# EAGLE board Mk4 Final a Panel score 2x5 (EAGLE 9.0.1), part 4 of 29
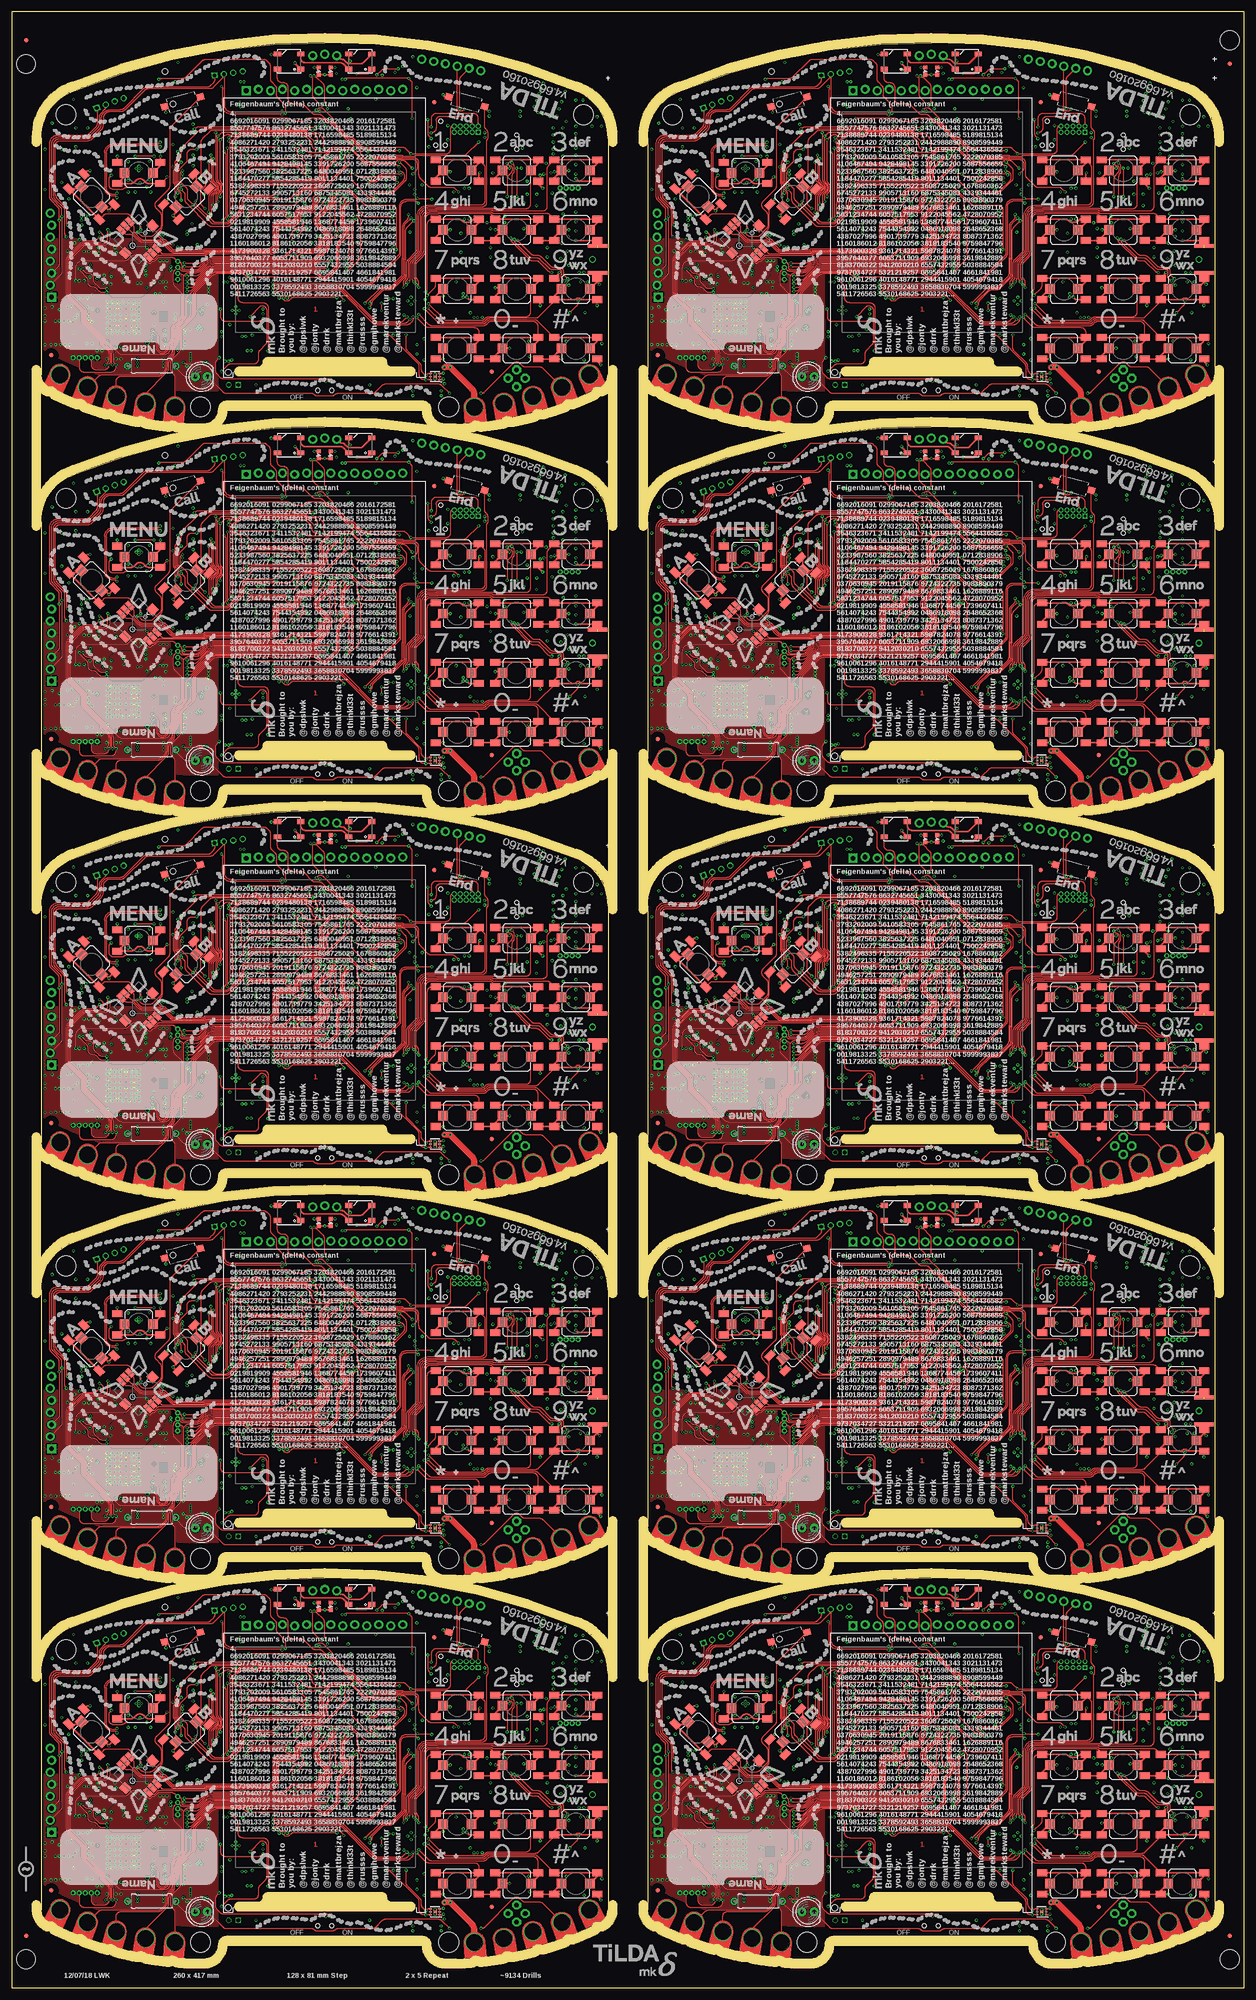
[diagram p0: board, top side]
## Placement (x,y rotation side) (continued)
R377  0402/100K/5%  [R0402-SMALLER]  19,184.75 270 bottom
R378  0402/10K/5%  [R0402-SMALLER]  14.5,208.25 90 bottom
R379  0402/100K/5%  [R0402-SMALLER]  17,205.25 180 bottom
R380  0402/100K/5%  [R0402-SMALLER]  31,187.75 180 bottom
R381  0402/100K/5%  [R0402-SMALLER]  31,185.75 180 bottom
R382  0402/100K/5%  [R0402-SMALLER]  32.75,194.5 90 bottom
R383  0402/100K/5%  [R0402-SMALLER]  24.5,184.25 270 bottom
R384  0402/100K/5%  [R0402-SMALLER]  20,183 270 bottom
R385  0402/100K/5%  [R0402-SMALLER]  15.25,197 90 bottom
R386  0402/10K/5%  [R0402-SMALLER]  80,195.75 90 bottom
R387  0402/150K/1%  [R0402-SMALLER]  27.95,228.4 0 bottom
R388  0402/150K/1%  [R0402-SMALLER]  28,225.5 0 bottom
R389  0402/10K/5%  [R0402-SMALLER]  24.75,224.5 0 bottom
R390  0402/0R/5%  [R0402-SMALLER]  27,229.5 180 bottom
R391  0402/12R/5%  [R0402-SMALLER]  206.5,207 270 bottom
R392  0402/12R/5%  [R0402-SMALLER]  205.5,207 270 bottom
R393  0402/12R/5%  [R0402-SMALLER]  204.5,207 270 bottom
R394  0402/12R/5%  [R0402-SMALLER]  203.5,207 270 bottom
R395  0402/2K/5%  [R0402-SMALLER]  195.27,242.5 270 bottom
R396  0402/2K/5%  [R0402-SMALLER]  192.73,242.5 270 bottom
R397  0402/1K/5%  [R0402-SMALLER]  178.5,235.5 270 bottom
R398  0402/1K/5%  [R0402-SMALLER]  179.5,235.5 270 bottom
R399  0402/4K87/5%  [R0402-SMALLER]  184.25,225.25 0 bottom
R400  0402/10K/5%  [R0402-SMALLER]  192.5,233.25 180 bottom
R401  0402/1M/5%  [R0402-SMALLER]  184.75,227.75 90 bottom
R402  0402/2K/5%  [R0402-SMALLER]  197.75,230.95 90 bottom
R403  0402/1M/5%  [R0402-SMALLER]  211.75,246 270 bottom
R404  0402/100R/5%  [R0402-SMALLER]  212.25,242.5 180 bottom
R405  0402/10K/5%  [R0402-SMALLER]  201.5,212.25 270 bottom
R406  0402/10K/5%  [R0402-SMALLER]  212,209.75 90 bottom
R407  [0309/10]  157.5,180.25 180 top
R408  0402/10K/5%  [R0402-SMALLER]  171.75,183.25 90 bottom
R409  0402/10K/5%  [R0402-SMALLER]  179.75,191.25 0 bottom
R410  0402/10K/5%  [R0402-SMALLER]  179.75,190.25 180 bottom
R411  0402/2K/5%  [R0402-SMALLER]  179.75,192.25 180 bottom
R412  0402/10K/5%  [R0402-SMALLER]  175.25,198.5 180 bottom
R413  0402/10K/5%  [R0402-SMALLER]  175.25,197.5 180 bottom
R414  0402/10K/5%  [R0402-SMALLER]  175.75,196 90 bottom
R415  0402/4K7/5%  [R0402-SMALLER]  180.05,216.25 90 bottom
R416  0402/4K7/5%  [R0402-SMALLER]  181.05,216.25 90 bottom
R417  0402/4K7/5%  [R0402-SMALLER]  206.25,217 180 bottom
R418  0402/4K7/5%  [R0402-SMALLER]  206.25,215.75 180 bottom
R419  0402/100K/5%  [R0402-SMALLER]  159,184.75 180 bottom
R420  0402/51R/5%  [R0402-SMALLER]  231.5,220.5 90 bottom
R421  0402/51R/5%  [R0402-SMALLER]  233.5,220.5 90 bottom
R422  0402/51R/5%  [R0402-SMALLER]  234.5,220.5 90 bottom
R423  0402/4K7/5%  [R0402-SMALLER]  240.5,198.75 180 bottom
R424  0402/100K/5%  [R0402-SMALLER]  222.5,197.5 90 bottom
R425  0402/1K/5%  [R0402-SMALLER]  224,209.25 180 bottom
R426  0402/5K6/5%  [R0402-SMALLER]  224,202.25 0 bottom
R427  0402/1K/5%  [R0402-SMALLER]  224,210.25 180 bottom
R428  0402/1K/5%  [R0402-SMALLER]  224,207.25 180 bottom
R429  0402/1K/5%  [R0402-SMALLER]  224,206.25 180 bottom
R430  0402/1K/5%  [R0402-SMALLER]  224,205.25 180 bottom
R431  0402/1K/5%  [R0402-SMALLER]  224,201.25 180 bottom
R432  0402/1K/5%  [R0402-SMALLER]  224,203.25 180 bottom
R433  0402/5K6/5%  [R0402-SMALLER]  224,204.25 0 bottom
R434  0402/5K6/5%  [R0402-SMALLER]  224,208.25 0 bottom
R435  0402/1K/5%  [R0402-SMALLER]  224,200.25 180 bottom
R436  0402/1K/5%  [R0402-SMALLER]  224,199.25 180 bottom
R437  0402/10K/5%  [R0402-SMALLER]  214.75,215 90 bottom
R438  0402/10K/5%  [R0402-SMALLER]  215.75,215 90 bottom
R439  0402/10K/5%  [R0402-SMALLER]  216.25,217.5 180 bottom
R440  0402/22K/5%  [R0402-SMALLER]  214.25,217.5 0 bottom
R441  0402/22K/5%  [R0402-SMALLER]  214.25,216.5 0 bottom
R442  0402/15K/5%  [R0402-SMALLER]  214.5,226.75 180 bottom
R443  0402/8K2/5%  [R0402-SMALLER]  212.5,226.75 0 bottom
R444  0402/10K/5%  [R0402-SMALLER]  219.5,222.5 270 bottom
R445  0402/10K/5%  [R0402-SMALLER]  221.75,217.75 180 bottom
R446  0402/10K/5%  [R0402-SMALLER]  228.25,227.5 180 bottom
R447  0402/150K/1%  [R0402-SMALLER]  155.95,227.45 0 bottom
R448  0402/150K/1%  [R0402-SMALLER]  155.95,226.45 0 bottom
R449  0402/10K/5%  [R0402-SMALLER]  238,181.75 90 bottom
R450  0402/732K/5%  [R0402-SMALLER]  162.95,182.35 270 bottom
R451  0402/162K/5%  [R0402-SMALLER]  163.95,182.35 90 bottom
R452  0402/10K/5%  [R0402-SMALLER]  146,184.75 270 bottom
R453  0402/100K/5%  [R0402-SMALLER]  143.25,203.2 90 bottom
R454  0402/100K/5%  [R0402-SMALLER]  144.25,203.2 90 bottom
R455  0402/100K/5%  [R0402-SMALLER]  147,184.75 270 bottom
R456  0402/10K/5%  [R0402-SMALLER]  142.5,208.25 90 bottom
R457  0402/100K/5%  [R0402-SMALLER]  145,205.25 180 bottom
R458  0402/100K/5%  [R0402-SMALLER]  159,187.75 180 bottom
R459  0402/100K/5%  [R0402-SMALLER]  159,185.75 180 bottom
R460  0402/100K/5%  [R0402-SMALLER]  160.75,194.5 90 bottom
R461  0402/100K/5%  [R0402-SMALLER]  152.5,184.25 270 bottom
R462  0402/100K/5%  [R0402-SMALLER]  148,183 270 bottom
R463  0402/100K/5%  [R0402-SMALLER]  143.25,197 90 bottom
R464  0402/10K/5%  [R0402-SMALLER]  208,195.75 90 bottom
R465  0402/150K/1%  [R0402-SMALLER]  155.95,228.4 0 bottom
R466  0402/150K/1%  [R0402-SMALLER]  156,225.5 0 bottom
R467  0402/10K/5%  [R0402-SMALLER]  152.75,224.5 0 bottom
R468  0402/0R/5%  [R0402-SMALLER]  155,229.5 180 bottom
R469  0402/12R/5%  [R0402-SMALLER]  78.5,288 270 bottom
R470  0402/12R/5%  [R0402-SMALLER]  77.5,288 270 bottom
R471  0402/12R/5%  [R0402-SMALLER]  76.5,288 270 bottom
R472  0402/12R/5%  [R0402-SMALLER]  75.5,288 270 bottom
R473  0402/2K/5%  [R0402-SMALLER]  67.27,323.5 270 bottom
R474  0402/2K/5%  [R0402-SMALLER]  64.73,323.5 270 bottom
R475  0402/1K/5%  [R0402-SMALLER]  50.5,316.5 270 bottom
R476  0402/1K/5%  [R0402-SMALLER]  51.5,316.5 270 bottom
R477  0402/4K87/5%  [R0402-SMALLER]  56.25,306.25 0 bottom
R478  0402/10K/5%  [R0402-SMALLER]  64.5,314.25 180 bottom
R479  0402/1M/5%  [R0402-SMALLER]  56.75,308.75 90 bottom
R480  0402/2K/5%  [R0402-SMALLER]  69.75,311.95 90 bottom
R481  0402/1M/5%  [R0402-SMALLER]  83.75,327 270 bottom
R482  0402/100R/5%  [R0402-SMALLER]  84.25,323.5 180 bottom
R483  0402/10K/5%  [R0402-SMALLER]  73.5,293.25 270 bottom
R484  0402/10K/5%  [R0402-SMALLER]  84,290.75 90 bottom
R485  [0309/10]  29.5,261.25 180 top
R486  0402/10K/5%  [R0402-SMALLER]  43.75,264.25 90 bottom
R487  0402/10K/5%  [R0402-SMALLER]  51.75,272.25 0 bottom
R488  0402/10K/5%  [R0402-SMALLER]  51.75,271.25 180 bottom
R489  0402/2K/5%  [R0402-SMALLER]  51.75,273.25 180 bottom
R490  0402/10K/5%  [R0402-SMALLER]  47.25,279.5 180 bottom
R491  0402/10K/5%  [R0402-SMALLER]  47.25,278.5 180 bottom
R492  0402/10K/5%  [R0402-SMALLER]  47.75,277 90 bottom
R493  0402/4K7/5%  [R0402-SMALLER]  52.05,297.25 90 bottom
R494  0402/4K7/5%  [R0402-SMALLER]  53.05,297.25 90 bottom
R495  0402/4K7/5%  [R0402-SMALLER]  78.25,298 180 bottom
R496  0402/4K7/5%  [R0402-SMALLER]  78.25,296.75 180 bottom
R497  0402/100K/5%  [R0402-SMALLER]  31,265.75 180 bottom
R498  0402/51R/5%  [R0402-SMALLER]  103.5,301.5 90 bottom
R499  0402/51R/5%  [R0402-SMALLER]  105.5,301.5 90 bottom
R500  0402/51R/5%  [R0402-SMALLER]  106.5,301.5 90 bottom
R501  0402/4K7/5%  [R0402-SMALLER]  112.5,279.75 180 bottom
R502  0402/100K/5%  [R0402-SMALLER]  94.5,278.5 90 bottom
R503  0402/1K/5%  [R0402-SMALLER]  96,290.25 180 bottom
R504  0402/5K6/5%  [R0402-SMALLER]  96,283.25 0 bottom
R505  0402/1K/5%  [R0402-SMALLER]  96,291.25 180 bottom
R506  0402/1K/5%  [R0402-SMALLER]  96,288.25 180 bottom
R507  0402/1K/5%  [R0402-SMALLER]  96,287.25 180 bottom
R508  0402/1K/5%  [R0402-SMALLER]  96,286.25 180 bottom
R509  0402/1K/5%  [R0402-SMALLER]  96,282.25 180 bottom
R510  0402/1K/5%  [R0402-SMALLER]  96,284.25 180 bottom
R511  0402/5K6/5%  [R0402-SMALLER]  96,285.25 0 bottom
R512  0402/5K6/5%  [R0402-SMALLER]  96,289.25 0 bottom
R513  0402/1K/5%  [R0402-SMALLER]  96,281.25 180 bottom
R514  0402/1K/5%  [R0402-SMALLER]  96,280.25 180 bottom
R515  0402/10K/5%  [R0402-SMALLER]  86.75,296 90 bottom
R516  0402/10K/5%  [R0402-SMALLER]  87.75,296 90 bottom
R517  0402/10K/5%  [R0402-SMALLER]  88.25,298.5 180 bottom
R518  0402/22K/5%  [R0402-SMALLER]  86.25,298.5 0 bottom
R519  0402/22K/5%  [R0402-SMALLER]  86.25,297.5 0 bottom
R520  0402/15K/5%  [R0402-SMALLER]  86.5,307.75 180 bottom
R521  0402/8K2/5%  [R0402-SMALLER]  84.5,307.75 0 bottom
R522  0402/10K/5%  [R0402-SMALLER]  91.5,303.5 270 bottom
R523  0402/10K/5%  [R0402-SMALLER]  93.75,298.75 180 bottom
R524  0402/10K/5%  [R0402-SMALLER]  100.25,308.5 180 bottom
R525  0402/150K/1%  [R0402-SMALLER]  27.95,308.45 0 bottom
R526  0402/150K/1%  [R0402-SMALLER]  27.95,307.45 0 bottom
R527  0402/10K/5%  [R0402-SMALLER]  110,262.75 90 bottom
R528  0402/732K/5%  [R0402-SMALLER]  34.95,263.35 270 bottom
R529  0402/162K/5%  [R0402-SMALLER]  35.95,263.35 90 bottom
R530  0402/10K/5%  [R0402-SMALLER]  18,265.75 270 bottom
R531  0402/100K/5%  [R0402-SMALLER]  15.25,284.2 90 bottom
R532  0402/100K/5%  [R0402-SMALLER]  16.25,284.2 90 bottom
R533  0402/100K/5%  [R0402-SMALLER]  19,265.75 270 bottom
R534  0402/10K/5%  [R0402-SMALLER]  14.5,289.25 90 bottom
R535  0402/100K/5%  [R0402-SMALLER]  17,286.25 180 bottom
R536  0402/100K/5%  [R0402-SMALLER]  31,268.75 180 bottom
R537  0402/100K/5%  [R0402-SMALLER]  31,266.75 180 bottom
R538  0402/100K/5%  [R0402-SMALLER]  32.75,275.5 90 bottom
R539  0402/100K/5%  [R0402-SMALLER]  24.5,265.25 270 bottom
R540  0402/100K/5%  [R0402-SMALLER]  20,264 270 bottom
R541  0402/100K/5%  [R0402-SMALLER]  15.25,278 90 bottom
R542  0402/10K/5%  [R0402-SMALLER]  80,276.75 90 bottom
R543  0402/150K/1%  [R0402-SMALLER]  27.95,309.4 0 bottom
R544  0402/150K/1%  [R0402-SMALLER]  28,306.5 0 bottom
R545  0402/10K/5%  [R0402-SMALLER]  24.75,305.5 0 bottom
R546  0402/0R/5%  [R0402-SMALLER]  27,310.5 180 bottom
R547  0402/12R/5%  [R0402-SMALLER]  206.5,288 270 bottom
R548  0402/12R/5%  [R0402-SMALLER]  205.5,288 270 bottom
R549  0402/12R/5%  [R0402-SMALLER]  204.5,288 270 bottom
R550  0402/12R/5%  [R0402-SMALLER]  203.5,288 270 bottom
R551  0402/2K/5%  [R0402-SMALLER]  195.27,323.5 270 bottom
R552  0402/2K/5%  [R0402-SMALLER]  192.73,323.5 270 bottom
R553  0402/1K/5%  [R0402-SMALLER]  178.5,316.5 270 bottom
R554  0402/1K/5%  [R0402-SMALLER]  179.5,316.5 270 bottom
R555  0402/4K87/5%  [R0402-SMALLER]  184.25,306.25 0 bottom
R556  0402/10K/5%  [R0402-SMALLER]  192.5,314.25 180 bottom
R557  0402/1M/5%  [R0402-SMALLER]  184.75,308.75 90 bottom
R558  0402/2K/5%  [R0402-SMALLER]  197.75,311.95 90 bottom
R559  0402/1M/5%  [R0402-SMALLER]  211.75,327 270 bottom
R560  0402/100R/5%  [R0402-SMALLER]  212.25,323.5 180 bottom
R561  0402/10K/5%  [R0402-SMALLER]  201.5,293.25 270 bottom
R562  0402/10K/5%  [R0402-SMALLER]  212,290.75 90 bottom
R563  [0309/10]  157.5,261.25 180 top
R564  0402/10K/5%  [R0402-SMALLER]  171.75,264.25 90 bottom
R565  0402/10K/5%  [R0402-SMALLER]  179.75,272.25 0 bottom
R566  0402/10K/5%  [R0402-SMALLER]  179.75,271.25 180 bottom
R567  0402/2K/5%  [R0402-SMALLER]  179.75,273.25 180 bottom
R568  0402/10K/5%  [R0402-SMALLER]  175.25,279.5 180 bottom
R569  0402/10K/5%  [R0402-SMALLER]  175.25,278.5 180 bottom
R570  0402/10K/5%  [R0402-SMALLER]  175.75,277 90 bottom
R571  0402/4K7/5%  [R0402-SMALLER]  180.05,297.25 90 bottom
R572  0402/4K7/5%  [R0402-SMALLER]  181.05,297.25 90 bottom
R573  0402/4K7/5%  [R0402-SMALLER]  206.25,298 180 bottom
R574  0402/4K7/5%  [R0402-SMALLER]  206.25,296.75 180 bottom
R575  0402/100K/5%  [R0402-SMALLER]  159,265.75 180 bottom
R576  0402/51R/5%  [R0402-SMALLER]  231.5,301.5 90 bottom
R577  0402/51R/5%  [R0402-SMALLER]  233.5,301.5 90 bottom
R578  0402/51R/5%  [R0402-SMALLER]  234.5,301.5 90 bottom
R579  0402/4K7/5%  [R0402-SMALLER]  240.5,279.75 180 bottom
R580  0402/100K/5%  [R0402-SMALLER]  222.5,278.5 90 bottom
R581  0402/1K/5%  [R0402-SMALLER]  224,290.25 180 bottom
R582  0402/5K6/5%  [R0402-SMALLER]  224,283.25 0 bottom
R583  0402/1K/5%  [R0402-SMALLER]  224,291.25 180 bottom
R584  0402/1K/5%  [R0402-SMALLER]  224,288.25 180 bottom
R585  0402/1K/5%  [R0402-SMALLER]  224,287.25 180 bottom
R586  0402/1K/5%  [R0402-SMALLER]  224,286.25 180 bottom
R587  0402/1K/5%  [R0402-SMALLER]  224,282.25 180 bottom
R588  0402/1K/5%  [R0402-SMALLER]  224,284.25 180 bottom
R589  0402/5K6/5%  [R0402-SMALLER]  224,285.25 0 bottom
R590  0402/5K6/5%  [R0402-SMALLER]  224,289.25 0 bottom
R591  0402/1K/5%  [R0402-SMALLER]  224,281.25 180 bottom
R592  0402/1K/5%  [R0402-SMALLER]  224,280.25 180 bottom
R593  0402/10K/5%  [R0402-SMALLER]  214.75,296 90 bottom
R594  0402/10K/5%  [R0402-SMALLER]  215.75,296 90 bottom
R595  0402/10K/5%  [R0402-SMALLER]  216.25,298.5 180 bottom
R596  0402/22K/5%  [R0402-SMALLER]  214.25,298.5 0 bottom
R597  0402/22K/5%  [R0402-SMALLER]  214.25,297.5 0 bottom
R598  0402/15K/5%  [R0402-SMALLER]  214.5,307.75 180 bottom
R599  0402/8K2/5%  [R0402-SMALLER]  212.5,307.75 0 bottom
R600  0402/10K/5%  [R0402-SMALLER]  219.5,303.5 270 bottom
R601  0402/10K/5%  [R0402-SMALLER]  221.75,298.75 180 bottom
R602  0402/10K/5%  [R0402-SMALLER]  228.25,308.5 180 bottom
R603  0402/150K/1%  [R0402-SMALLER]  155.95,308.45 0 bottom
R604  0402/150K/1%  [R0402-SMALLER]  155.95,307.45 0 bottom
R605  0402/10K/5%  [R0402-SMALLER]  238,262.75 90 bottom
R606  0402/732K/5%  [R0402-SMALLER]  162.95,263.35 270 bottom
R607  0402/162K/5%  [R0402-SMALLER]  163.95,263.35 90 bottom
R608  0402/10K/5%  [R0402-SMALLER]  146,265.75 270 bottom
R609  0402/100K/5%  [R0402-SMALLER]  143.25,284.2 90 bottom
R610  0402/100K/5%  [R0402-SMALLER]  144.25,284.2 90 bottom
R611  0402/100K/5%  [R0402-SMALLER]  147,265.75 270 bottom
R612  0402/10K/5%  [R0402-SMALLER]  142.5,289.25 90 bottom
R613  0402/100K/5%  [R0402-SMALLER]  145,286.25 180 bottom
R614  0402/100K/5%  [R0402-SMALLER]  159,268.75 180 bottom
R615  0402/100K/5%  [R0402-SMALLER]  159,266.75 180 bottom
R616  0402/100K/5%  [R0402-SMALLER]  160.75,275.5 90 bottom
R617  0402/100K/5%  [R0402-SMALLER]  152.5,265.25 270 bottom
R618  0402/100K/5%  [R0402-SMALLER]  148,264 270 bottom
R619  0402/100K/5%  [R0402-SMALLER]  143.25,278 90 bottom
R620  0402/10K/5%  [R0402-SMALLER]  208,276.75 90 bottom
R621  0402/150K/1%  [R0402-SMALLER]  155.95,309.4 0 bottom
R622  0402/150K/1%  [R0402-SMALLER]  156,306.5 0 bottom
R623  0402/10K/5%  [R0402-SMALLER]  152.75,305.5 0 bottom
R624  0402/0R/5%  [R0402-SMALLER]  155,310.5 180 bottom
R625  0402/12R/5%  [R0402-SMALLER]  78.5,369 270 bottom
R626  0402/12R/5%  [R0402-SMALLER]  77.5,369 270 bottom
R627  0402/12R/5%  [R0402-SMALLER]  76.5,369 270 bottom
R628  0402/12R/5%  [R0402-SMALLER]  75.5,369 270 bottom
R629  0402/2K/5%  [R0402-SMALLER]  67.27,404.5 270 bottom
R630  0402/2K/5%  [R0402-SMALLER]  64.73,404.5 270 bottom
R631  0402/1K/5%  [R0402-SMALLER]  50.5,397.5 270 bottom
R632  0402/1K/5%  [R0402-SMALLER]  51.5,397.5 270 bottom
R633  0402/4K87/5%  [R0402-SMALLER]  56.25,387.25 0 bottom
R634  0402/10K/5%  [R0402-SMALLER]  64.5,395.25 180 bottom
R635  0402/1M/5%  [R0402-SMALLER]  56.75,389.75 90 bottom
R636  0402/2K/5%  [R0402-SMALLER]  69.75,392.95 90 bottom
R637  0402/1M/5%  [R0402-SMALLER]  83.75,408 270 bottom
R638  0402/100R/5%  [R0402-SMALLER]  84.25,404.5 180 bottom
R639  0402/10K/5%  [R0402-SMALLER]  73.5,374.25 270 bottom
R640  0402/10K/5%  [R0402-SMALLER]  84,371.75 90 bottom
R641  [0309/10]  29.5,342.25 180 top
R642  0402/10K/5%  [R0402-SMALLER]  43.75,345.25 90 bottom
R643  0402/10K/5%  [R0402-SMALLER]  51.75,353.25 0 bottom
R644  0402/10K/5%  [R0402-SMALLER]  51.75,352.25 180 bottom
R645  0402/2K/5%  [R0402-SMALLER]  51.75,354.25 180 bottom
R646  0402/10K/5%  [R0402-SMALLER]  47.25,360.5 180 bottom
R647  0402/10K/5%  [R0402-SMALLER]  47.25,359.5 180 bottom
R648  0402/10K/5%  [R0402-SMALLER]  47.75,358 90 bottom
R649  0402/4K7/5%  [R0402-SMALLER]  52.05,378.25 90 bottom
R650  0402/4K7/5%  [R0402-SMALLER]  53.05,378.25 90 bottom
R651  0402/4K7/5%  [R0402-SMALLER]  78.25,379 180 bottom
R652  0402/4K7/5%  [R0402-SMALLER]  78.25,377.75 180 bottom
R653  0402/100K/5%  [R0402-SMALLER]  31,346.75 180 bottom
R654  0402/51R/5%  [R0402-SMALLER]  103.5,382.5 90 bottom
R655  0402/51R/5%  [R0402-SMALLER]  105.5,382.5 90 bottom
R656  0402/51R/5%  [R0402-SMALLER]  106.5,382.5 90 bottom
R657  0402/4K7/5%  [R0402-SMALLER]  112.5,360.75 180 bottom
R658  0402/100K/5%  [R0402-SMALLER]  94.5,359.5 90 bottom
R659  0402/1K/5%  [R0402-SMALLER]  96,371.25 180 bottom
R660  0402/5K6/5%  [R0402-SMALLER]  96,364.25 0 bottom
R661  0402/1K/5%  [R0402-SMALLER]  96,372.25 180 bottom
R662  0402/1K/5%  [R0402-SMALLER]  96,369.25 180 bottom
R663  0402/1K/5%  [R0402-SMALLER]  96,368.25 180 bottom
R664  0402/1K/5%  [R0402-SMALLER]  96,367.25 180 bottom
R665  0402/1K/5%  [R0402-SMALLER]  96,363.25 180 bottom
R666  0402/1K/5%  [R0402-SMALLER]  96,365.25 180 bottom
R667  0402/5K6/5%  [R0402-SMALLER]  96,366.25 0 bottom
R668  0402/5K6/5%  [R0402-SMALLER]  96,370.25 0 bottom
R669  0402/1K/5%  [R0402-SMALLER]  96,362.25 180 bottom
R670  0402/1K/5%  [R0402-SMALLER]  96,361.25 180 bottom
R671  0402/10K/5%  [R0402-SMALLER]  86.75,377 90 bottom
R672  0402/10K/5%  [R0402-SMALLER]  87.75,377 90 bottom
R673  0402/10K/5%  [R0402-SMALLER]  88.25,379.5 180 bottom
R674  0402/22K/5%  [R0402-SMALLER]  86.25,379.5 0 bottom
R675  0402/22K/5%  [R0402-SMALLER]  86.25,378.5 0 bottom
R676  0402/15K/5%  [R0402-SMALLER]  86.5,388.75 180 bottom
R677  0402/8K2/5%  [R0402-SMALLER]  84.5,388.75 0 bottom
R678  0402/10K/5%  [R0402-SMALLER]  91.5,384.5 270 bottom
R679  0402/10K/5%  [R0402-SMALLER]  93.75,379.75 180 bottom
R680  0402/10K/5%  [R0402-SMALLER]  100.25,389.5 180 bottom
R681  0402/150K/1%  [R0402-SMALLER]  27.95,389.45 0 bottom
R682  0402/150K/1%  [R0402-SMALLER]  27.95,388.45 0 bottom
R683  0402/10K/5%  [R0402-SMALLER]  110,343.75 90 bottom
R684  0402/732K/5%  [R0402-SMALLER]  34.95,344.35 270 bottom
R685  0402/162K/5%  [R0402-SMALLER]  35.95,344.35 90 bottom
R686  0402/10K/5%  [R0402-SMALLER]  18,346.75 270 bottom
R687  0402/100K/5%  [R0402-SMALLER]  15.25,365.2 90 bottom
R688  0402/100K/5%  [R0402-SMALLER]  16.25,365.2 90 bottom
R689  0402/100K/5%  [R0402-SMALLER]  19,346.75 270 bottom
R690  0402/10K/5%  [R0402-SMALLER]  14.5,370.25 90 bottom
R691  0402/100K/5%  [R0402-SMALLER]  17,367.25 180 bottom
R692  0402/100K/5%  [R0402-SMALLER]  31,349.75 180 bottom
R693  0402/100K/5%  [R0402-SMALLER]  31,347.75 180 bottom
R694  0402/100K/5%  [R0402-SMALLER]  32.75,356.5 90 bottom
R695  0402/100K/5%  [R0402-SMALLER]  24.5,346.25 270 bottom
R696  0402/100K/5%  [R0402-SMALLER]  20,345 270 bottom
R697  0402/100K/5%  [R0402-SMALLER]  15.25,359 90 bottom
R698  0402/10K/5%  [R0402-SMALLER]  80,357.75 90 bottom
R699  0402/150K/1%  [R0402-SMALLER]  27.95,390.4 0 bottom
R700  0402/150K/1%  [R0402-SMALLER]  28,387.5 0 bottom
R701  0402/10K/5%  [R0402-SMALLER]  24.75,386.5 0 bottom
R702  0402/0R/5%  [R0402-SMALLER]  27,391.5 180 bottom
R703  0402/12R/5%  [R0402-SMALLER]  206.5,369 270 bottom
R704  0402/12R/5%  [R0402-SMALLER]  205.5,369 270 bottom
R705  0402/12R/5%  [R0402-SMALLER]  204.5,369 270 bottom
R706  0402/12R/5%  [R0402-SMALLER]  203.5,369 270 bottom
R707  0402/2K/5%  [R0402-SMALLER]  195.27,404.5 270 bottom
R708  0402/2K/5%  [R0402-SMALLER]  192.73,404.5 270 bottom
R709  0402/1K/5%  [R0402-SMALLER]  178.5,397.5 270 bottom
R710  0402/1K/5%  [R0402-SMALLER]  179.5,397.5 270 bottom
R711  0402/4K87/5%  [R0402-SMALLER]  184.25,387.25 0 bottom
R712  0402/10K/5%  [R0402-SMALLER]  192.5,395.25 180 bottom
R713  0402/1M/5%  [R0402-SMALLER]  184.75,389.75 90 bottom
R714  0402/2K/5%  [R0402-SMALLER]  197.75,392.95 90 bottom
R715  0402/1M/5%  [R0402-SMALLER]  211.75,408 270 bottom
R716  0402/100R/5%  [R0402-SMALLER]  212.25,404.5 180 bottom
R717  0402/10K/5%  [R0402-SMALLER]  201.5,374.25 270 bottom
R718  0402/10K/5%  [R0402-SMALLER]  212,371.75 90 bottom
R719  [0309/10]  157.5,342.25 180 top
R720  0402/10K/5%  [R0402-SMALLER]  171.75,345.25 90 bottom
R721  0402/10K/5%  [R0402-SMALLER]  179.75,353.25 0 bottom
R722  0402/10K/5%  [R0402-SMALLER]  179.75,352.25 180 bottom
R723  0402/2K/5%  [R0402-SMALLER]  179.75,354.25 180 bottom
R724  0402/10K/5%  [R0402-SMALLER]  175.25,360.5 180 bottom
R725  0402/10K/5%  [R0402-SMALLER]  175.25,359.5 180 bottom
R726  0402/10K/5%  [R0402-SMALLER]  175.75,358 90 bottom
R727  0402/4K7/5%  [R0402-SMALLER]  180.05,378.25 90 bottom
R728  0402/4K7/5%  [R0402-SMALLER]  181.05,378.25 90 bottom
R729  0402/4K7/5%  [R0402-SMALLER]  206.25,379 180 bottom
R730  0402/4K7/5%  [R0402-SMALLER]  206.25,377.75 180 bottom
R731  0402/100K/5%  [R0402-SMALLER]  159,346.75 180 bottom
R732  0402/51R/5%  [R0402-SMALLER]  231.5,382.5 90 bottom
R733  0402/51R/5%  [R0402-SMALLER]  233.5,382.5 90 bottom
R734  0402/51R/5%  [R0402-SMALLER]  234.5,382.5 90 bottom
R735  0402/4K7/5%  [R0402-SMALLER]  240.5,360.75 180 bottom
R736  0402/100K/5%  [R0402-SMALLER]  222.5,359.5 90 bottom
R737  0402/1K/5%  [R0402-SMALLER]  224,371.25 180 bottom
R738  0402/5K6/5%  [R0402-SMALLER]  224,364.25 0 bottom
R739  0402/1K/5%  [R0402-SMALLER]  224,372.25 180 bottom
R740  0402/1K/5%  [R0402-SMALLER]  224,369.25 180 bottom
R741  0402/1K/5%  [R0402-SMALLER]  224,368.25 180 bottom
R742  0402/1K/5%  [R0402-SMALLER]  224,367.25 180 bottom
R743  0402/1K/5%  [R0402-SMALLER]  224,363.25 180 bottom
R744  0402/1K/5%  [R0402-SMALLER]  224,365.25 180 bottom
R745  0402/5K6/5%  [R0402-SMALLER]  224,366.25 0 bottom
R746  0402/5K6/5%  [R0402-SMALLER]  224,370.25 0 bottom
R747  0402/1K/5%  [R0402-SMALLER]  224,362.25 180 bottom
R748  0402/1K/5%  [R0402-SMALLER]  224,361.25 180 bottom
R749  0402/10K/5%  [R0402-SMALLER]  214.75,377 90 bottom
R750  0402/10K/5%  [R0402-SMALLER]  215.75,377 90 bottom
R751  0402/10K/5%  [R0402-SMALLER]  216.25,379.5 180 bottom
R752  0402/22K/5%  [R0402-SMALLER]  214.25,379.5 0 bottom
R753  0402/22K/5%  [R0402-SMALLER]  214.25,378.5 0 bottom
R754  0402/15K/5%  [R0402-SMALLER]  214.5,388.75 180 bottom
R755  0402/8K2/5%  [R0402-SMALLER]  212.5,388.75 0 bottom
R756  0402/10K/5%  [R0402-SMALLER]  219.5,384.5 270 bottom
R757  0402/10K/5%  [R0402-SMALLER]  221.75,379.75 180 bottom
R758  0402/10K/5%  [R0402-SMALLER]  228.25,389.5 180 bottom
R759  0402/150K/1%  [R0402-SMALLER]  155.95,389.45 0 bottom
R760  0402/150K/1%  [R0402-SMALLER]  155.95,388.45 0 bottom
R761  0402/10K/5%  [R0402-SMALLER]  238,343.75 90 bottom
R762  0402/732K/5%  [R0402-SMALLER]  162.95,344.35 270 bottom
R763  0402/162K/5%  [R0402-SMALLER]  163.95,344.35 90 bottom
R764  0402/10K/5%  [R0402-SMALLER]  146,346.75 270 bottom
R765  0402/100K/5%  [R0402-SMALLER]  143.25,365.2 90 bottom
R766  0402/100K/5%  [R0402-SMALLER]  144.25,365.2 90 bottom
R767  0402/100K/5%  [R0402-SMALLER]  147,346.75 270 bottom
R768  0402/10K/5%  [R0402-SMALLER]  142.5,370.25 90 bottom
R769  0402/100K/5%  [R0402-SMALLER]  145,367.25 180 bottom
R770  0402/100K/5%  [R0402-SMALLER]  159,349.75 180 bottom
R771  0402/100K/5%  [R0402-SMALLER]  159,347.75 180 bottom
R772  0402/100K/5%  [R0402-SMALLER]  160.75,356.5 90 bottom
R773  0402/100K/5%  [R0402-SMALLER]  152.5,346.25 270 bottom
R774  0402/100K/5%  [R0402-SMALLER]  148,345 270 bottom
R775  0402/100K/5%  [R0402-SMALLER]  143.25,359 90 bottom
R776  0402/10K/5%  [R0402-SMALLER]  208,357.75 90 bottom
R777  0402/150K/1%  [R0402-SMALLER]  155.95,390.4 0 bottom
R778  0402/150K/1%  [R0402-SMALLER]  156,387.5 0 bottom
R779  0402/10K/5%  [R0402-SMALLER]  152.75,386.5 0 bottom
R780  0402/0R/5%  [R0402-SMALLER]  155,391.5 180 bottom
S1  SKPMAPE010  [SKPMAPE010-COMBINED]  94,59.5 0 top
S2  SKPMAPE010  [SKPMAPE010-COMBINED]  106.5,59.5 0 top
S3  SKPMAPE010  [SKPMAPE010-COMBINED]  119,59.5 0 top
S4  SKPMAPE010  [SKPMAPE010-COMBINED]  94,47 0 top
S5  SKPMAPE010  [SKPMAPE010-COMBINED]  106.5,47 0 top
S6  SKPMAPE010  [SKPMAPE010-COMBINED]  119,47 0 top
S7  SKPMAPE010  [SKPMAPE010-COMBINED]  94,34.5 0 top
S8  SKPMAPE010  [SKPMAPE010-COMBINED]  106.5,34.5 0 top
S9  SKPMAPE010  [SKPMAPE010-COMBINED]  119,34.5 180 top
S10  SKPMAPE010  [SKPMAPE010-COMBINED]  94,22 0 top
S11  SKPMAPE010  [SKPMAPE010-COMBINED]  106.5,22 0 top
S12  SKPMAPE010  [SKPMAPE010-COMBINED]  119,22 0 top
S13  SKPMAPE010  [SKPMAPE010-COMBINED]  16.8,54 135 top
S14  SKPMAPE010  [SKPMAPE010-COMBINED]  26.8,59 180 top